# Altium PCB BatteryBoard.PcbDoc (part 2 of 2)
Units mil, origin at the board's own origin, x right, y up, seen from the top; angles counter-clockwise.
Board outline 9610 x 6351.06 mil, 2 copper layers (Top Layer, Bottom Layer); 145 components, 91 nets, 495 pads, 778 vias.
Unrouted connection lines stored in the file: 1.
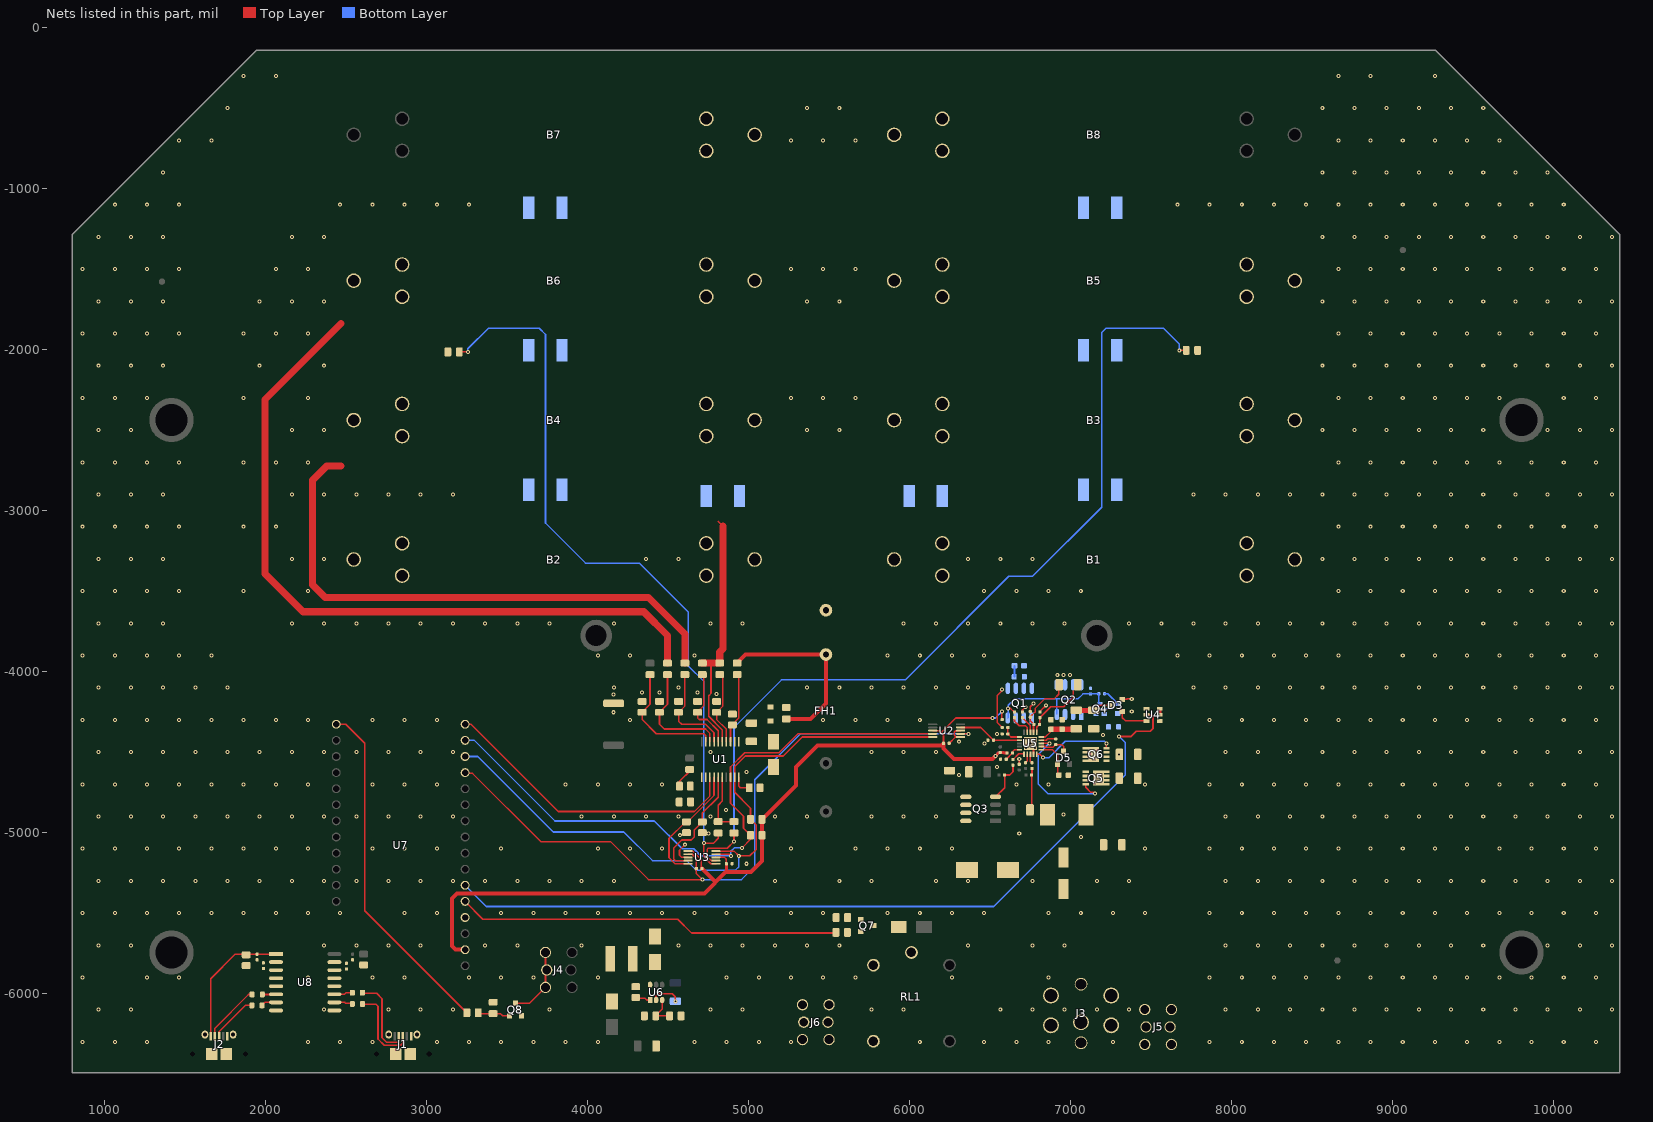
[diagram p2: the nets of this part, all layers, seen from the top]

## Via types
v1: diameter 25, hole 12, Top Layer to Bottom Layer, tented both sides, 714 vias
v2: diameter 25, hole 12, Top Layer to Bottom Layer, tented top, 59 vias
v3: diameter 12, hole 12, Top Layer to Bottom Layer, tented top, 5 vias

## Nets (pads, with @x,y where several pads share a name; then routed paths per layer and width w, separated by ;. In a path a pad name is that pad's centre, name@x,y a point inside that pad or via, vN(x,y) a via of type N, cw(c..) or ccw(c..) an arc to the next point about the centre after c; other vN are vias at no path point) (continued)
GND: C1.2 C2.2 C3.2 C4.2 C5.2 C6.2 C7.2 C8.2 C9.2 C10.2 C12.2 C13.2 C14.2 C17.2 C18.2 C19.2 C20.2 C21.2 C22.2 C23.2 C24.2 C27.2 C28.2 C29.2 C31.2 C32.2 C34.2 C35.2 C36.2 C38.2 C41.2 C42.2 C44.2 D2.1 D7.1 J1.5 J1.Shell J3.2 J3.3 J5.2 J5.4 J5.6 J6.2 J6.4 J6.6 Q6.3 Q7.1 Q8.1 R10.2 R11.2 R15.2 R16.2 R21.1 R28.2 R33.1 R37.2 R43.2 R45.2 U2.1 U2.3 U3.3 U4.6 U5.0 U5.14 U6.2 U7.25 U8.9 U8.15 | length 712.2
  Top Layer w10: U6.2@4427.17,-6043.31 4427.17,-6015.75 4438.98,-6003.94 4527.56,-6003.94 4547.24,-6023.62 v2(4547.24,-6051.09) ; v2(4606.3,-5078.74) 4573,-5112.04 4573,-5143.87 4586.61,-5157.48 U3.3@4625.98,-5157.48 ; C12.2@6247.81,-4448.82 6287.19,-4409.45 ; U2.1@6318.9,-4409.45 6287.19,-4409.45 ; U2.3@6318.9,-4370.08 6289.37,-4370.08 6279.53,-4379.92 6279.53,-4381.08 6279.35,-4381.25 6279.35,-4396.77 6287.19,-4404.6 6287.19,-4409.45 ; C34.2@6683.07,-4578.96 v2(6683.07,-4547.24) ; v3(6752.26,-4449.21) 6771.95,-4468.9 U5.14@6771.95,-4517.13 ; C23.2@6752.26,-4254.55 6752.26,-4222.15 v2(6771.65,-4202.76) ; C24.2@6811.32,-4251.67 v2(6850.39,-4212.6)
  other v1: 865.28,-6303.46 1065.28,-6303.46 1265.28,-6303.46 2265.28,-6303.46 2465.28,-6303.46 2665.28,-6303.46 3065.28,-6303.46 3265.28,-6303.46 3465.28,-6303.46 3665.28,-6303.46 3865.28,-6303.46 4065.28,-6303.46 4665.28,-6303.46 4865.28,-6303.46 5065.28,-6303.46 5265.28,-6303.46 6065.28,-6303.46 6465.28,-6303.46 6665.28,-6303.46 6865.28,-6303.46 7265.28,-6303.46 7865.28,-6303.46 8065.28,-6303.46 8265.28,-6303.46 8465.28,-6303.46 8665.28,-6303.46 8865.28,-6303.46 9065.28,-6303.46 9265.28,-6303.46 9465.28,-6303.46 9665.28,-6303.46 9865.28,-6303.46 10065.28,-6303.46 10265.28,-6303.46 965.28,-6103.46 1165.28,-6103.46 2365.28,-6103.46 2765.28,-6103.46 2965.28,-6103.46 3165.28,-6103.46 3565.28,-6103.46 3765.28,-6103.46 4765.28,-6103.46 4965.28,-6103.46 5765.28,-6103.46 5965.28,-6103.46 6565.28,-6103.46 6765.28,-6103.46 6965.28,-6103.46 7165.28,-6103.46 7365.28,-6103.46 7965.28,-6103.46 8165.28,-6103.46 8365.28,-6103.46 8565.28,-6103.46 8765.28,-6103.46 8965.28,-6103.46 9165.28,-6103.46 9365.28,-6103.46 9565.28,-6103.46 9765.28,-6103.46 9965.28,-6103.46 10165.28,-6103.46 10365.28,-6103.46 865.28,-5903.46 1265.28,-5903.46 1465.28,-5903.46 2265.28,-5903.46 2665.28,-5903.46 2865.28,-5903.46 3265.28,-5903.46 3465.28,-5903.46 3665.28,-5903.46 4065.28,-5903.46 4865.28,-5903.46 5065.28,-5903.46 5265.28,-5903.46 5465.28,-5903.46 5665.28,-5903.46 6265.28,-5903.46 6865.28,-5903.46 7865.28,-5903.46 8065.28,-5903.46 8265.28,-5903.46 8465.28,-5903.46 8665.28,-5903.46 8865.28,-5903.46 9065.28,-5903.46 9265.28,-5903.46 9465.28,-5903.46 9665.28,-5903.46 9865.28,-5903.46 10065.28,-5903.46 10265.28,-5903.46 965.28,-5703.46 1165.28,-5703.46 2365.28,-5703.46 2565.28,-5703.46 2765.28,-5703.46 2965.28,-5703.46 3365.28,-5703.46 3565.28,-5703.46 3965.28,-5703.46 4565.28,-5703.46 4765.28,-5703.46 4965.28,-5703.46 5165.28,-5703.46 5365.28,-5703.46 5565.28,-5703.46 6365.28,-5703.46 6765.28,-5703.46 6965.28,-5703.46 7965.28,-5703.46 8165.28,-5703.46 8365.28,-5703.46 8565.28,-5703.46 8765.28,-5703.46 8965.28,-5703.46 9165.28,-5703.46 9365.28,-5703.46 9565.28,-5703.46 9965.28,-5703.46 10165.28,-5703.46 10365.28,-5703.46 865.28,-5503.46 1065.28,-5503.46 1265.28,-5503.46 1465.28,-5503.46 1665.28,-5503.46 1865.28,-5503.46 2065.28,-5503.46 2265.28,-5503.46 2465.28,-5503.46 2865.28,-5503.46 3065.28,-5503.46 3465.28,-5503.46 3665.28,-5503.46 3865.28,-5503.46 4065.28,-5503.46 4265.28,-5503.46 4465.28,-5503.46 4665.28,-5503.46 4865.28,-5503.46 5265.28,-5503.46 5465.28,-5503.46 5865.28,-5503.46 6065.28,-5503.46 6265.28,-5503.46 6465.28,-5503.46 6865.28,-5503.46 7065.28,-5503.46 7265.28,-5503.46 7465.28,-5503.46 7865.28,-5503.46 8065.28,-5503.46 8265.28,-5503.46 8465.28,-5503.46 8665.28,-5503.46 8865.28,-5503.46 9065.28,-5503.46 9265.28,-5503.46 9465.28,-5503.46 9665.28,-5503.46 9865.28,-5503.46 10065.28,-5503.46 10265.28,-5503.46 965.28,-5303.46 1165.28,-5303.46 1365.28,-5303.46 1565.28,-5303.46 1765.28,-5303.46 1965.28,-5303.46 2165.28,-5303.46 2365.28,-5303.46 2565.28,-5303.46 2765.28,-5303.46 2965.28,-5303.46 3165.28,-5303.46 3365.28,-5303.46 3565.28,-5303.46 3765.28,-5303.46 3965.28,-5303.46 4165.28,-5303.46 5165.28,-5303.46 5565.28,-5303.46 5765.28,-5303.46 6165.28,-5303.46 6365.28,-5303.46 6765.28,-5303.46 7165.28,-5303.46 7365.28,-5303.46 7965.28,-5303.46 8165.28,-5303.46 8365.28,-5303.46 8565.28,-5303.46 8765.28,-5303.46 8965.28,-5303.46 9165.28,-5303.46 9365.28,-5303.46 9565.28,-5303.46 9765.28,-5303.46 9965.28,-5303.46 10165.28,-5303.46 10365.28,-5303.46 865.28,-5103.46 1065.28,-5103.46 1265.28,-5103.46 1465.28,-5103.46 1665.28,-5103.46 1865.28,-5103.46 2065.28,-5103.46 2265.28,-5103.46 2665.28,-5103.46 2865.28,-5103.46 3065.28,-5103.46 3465.28,-5103.46 4065.28,-5103.46 4265.28,-5103.46 4465.28,-5103.46 5265.28,-5103.46 5665.28,-5103.46 5865.28,-5103.46 6065.28,-5103.46 6265.28,-5103.46 7465.28,-5103.46 7865.28,-5103.46 8065.28,-5103.46 8265.28,-5103.46 8465.28,-5103.46 8665.28,-5103.46 8865.28,-5103.46 9065.28,-5103.46 9265.28,-5103.46 9465.28,-5103.46 9665.28,-5103.46 9865.28,-5103.46 10065.28,-5103.46 10265.28,-5103.46 965.28,-4903.46 1165.28,-4903.46 1365.28,-4903.46 1565.28,-4903.46 1765.28,-4903.46 1965.28,-4903.46 2165.28,-4903.46 2365.28,-4903.46 2565.28,-4903.46 2765.28,-4903.46 2965.28,-4903.46 3165.28,-4903.46 3965.28,-4903.46 4165.28,-4903.46 4365.28,-4903.46 4565.28,-4903.46 4765.28,-4903.46 5165.28,-4903.46 5365.28,-4903.46 5765.28,-4903.46 5965.28,-4903.46 6165.28,-4903.46 7965.28,-4903.46 8165.28,-4903.46 8365.28,-4903.46 8565.28,-4903.46 8765.28,-4903.46 8965.28,-4903.46 9165.28,-4903.46 9365.28,-4903.46 9565.28,-4903.46 9765.28,-4903.46 9965.28,-4903.46 10165.28,-4903.46 10365.28,-4903.46 865.28,-4703.46 1065.28,-4703.46 1265.28,-4703.46 1465.28,-4703.46 1665.28,-4703.46 1865.28,-4703.46 2065.28,-4703.46 2265.28,-4703.46 2665.28,-4703.46 2865.28,-4703.46 3065.28,-4703.46 3865.28,-4703.46 4065.28,-4703.46 4265.28,-4703.46 4465.28,-4703.46 6665.28,-4703.46 6865.28,-4703.46 7465.28,-4703.46 7865.28,-4703.46 8065.28,-4703.46 8265.28,-4703.46 8465.28,-4703.46 8665.28,-4703.46 8865.28,-4703.46 9065.28,-4703.46 9265.28,-4703.46 9465.28,-4703.46 9665.28,-4703.46 9865.28,-4703.46 10065.28,-4703.46 10265.28,-4703.46 965.28,-4503.46 1165.28,-4503.46 1365.28,-4503.46 1565.28,-4503.46 1765.28,-4503.46 1965.28,-4503.46 2165.28,-4503.46 2365.28,-4503.46 2565.28,-4503.46 2765.28,-4503.46 2965.28,-4503.46 3165.28,-4503.46 4765.28,-4503.46 5765.28,-4503.46 5965.28,-4503.46 6165.28,-4503.46 7965.28,-4503.46 8165.28,-4503.46 8365.28,-4503.46 8565.28,-4503.46 8765.28,-4503.46 8965.28,-4503.46 9165.28,-4503.46 9365.28,-4503.46 9565.28,-4503.46 9765.28,-4503.46 9965.28,-4503.46 10165.28,-4503.46 10365.28,-4503.46 865.28,-4303.46 1065.28,-4303.46 1265.28,-4303.46 1465.28,-4303.46 1665.28,-4303.46 1865.28,-4303.46 2065.28,-4303.46 2265.28,-4303.46 2665.28,-4303.46 2865.28,-4303.46 3065.28,-4303.46 4265.28,-4303.46 5465.28,-4303.46 5665.28,-4303.46 5865.28,-4303.46 6065.28,-4303.46 7865.28,-4303.46 8065.28,-4303.46 8265.28,-4303.46 8465.28,-4303.46 8665.28,-4303.46 8865.28,-4303.46 9065.28,-4303.46 9265.28,-4303.46 9465.28,-4303.46 9665.28,-4303.46 9865.28,-4303.46 10065.28,-4303.46 10265.28,-4303.46 965.28,-4103.46 1165.28,-4103.46 1365.28,-4103.46 1565.28,-4103.46 1765.28,-4103.46 4165.28,-4103.46 4565.28,-4103.46 5365.28,-4103.46 5565.28,-4103.46 5765.28,-4103.46 5965.28,-4103.46 6165.28,-4103.46 6365.28,-4103.46 7765.28,-4103.46 7965.28,-4103.46 8165.28,-4103.46 8365.28,-4103.46 8565.28,-4103.46 8765.28,-4103.46 8965.28,-4103.46 9165.28,-4103.46 9365.28,-4103.46 9565.28,-4103.46 9765.28,-4103.46 9965.28,-4103.46 10165.28,-4103.46 10365.28,-4103.46 865.28,-3903.46 1065.28,-3903.46 1265.28,-3903.46 1465.28,-3903.46 1665.28,-3903.46 4065.28,-3903.46 4265.28,-3903.46 4665.28,-3903.46 5865.28,-3903.46 6065.28,-3903.46 6265.28,-3903.46 6465.28,-3903.46 6665.28,-3903.46 7665.28,-3903.46 7865.28,-3903.46 8065.28,-3903.46 8265.28,-3903.46 8465.28,-3903.46 8665.28,-3903.46 8865.28,-3903.46 9065.28,-3903.46 9265.28,-3903.46 9465.28,-3903.46 9665.28,-3903.46 9865.28,-3903.46 10065.28,-3903.46 10265.28,-3903.46 965.28,-3703.46 1165.28,-3703.46 1365.28,-3703.46 2165.28,-3703.46 2365.28,-3703.46 2565.28,-3703.46 2765.28,-3703.46 2965.28,-3703.46 3165.28,-3703.46 3365.28,-3703.46 3565.28,-3703.46 3765.28,-3703.46 4165.28,-3703.46 4765.28,-3703.46 4965.28,-3703.46 5965.28,-3703.46 6165.28,-3703.46 6365.28,-3703.46 6565.28,-3703.46 6765.28,-3703.46 6965.28,-3703.46 7365.28,-3703.46 7565.28,-3703.46 7765.28,-3703.46 7965.28,-3703.46 8165.28,-3703.46 8365.28,-3703.46 8565.28,-3703.46 8765.28,-3703.46 8965.28,-3703.46 9165.28,-3703.46 9365.28,-3703.46 9565.28,-3703.46 9765.28,-3703.46 9965.28,-3703.46 10165.28,-3703.46 10365.28,-3703.46 865.28,-3503.46 1065.28,-3503.46 1265.28,-3503.46 1465.28,-3503.46 1865.28,-3503.46 2265.28,-3503.46 6465.28,-3503.46 6665.28,-3503.46 6865.28,-3503.46 7065.28,-3503.46 8665.28,-3503.46 8865.28,-3503.46 9065.28,-3503.46 9265.28,-3503.46 9465.28,-3503.46 9665.28,-3503.46 9865.28,-3503.46 10065.28,-3503.46 10265.28,-3503.46 965.28,-3303.46 1165.28,-3303.46 1365.28,-3303.46 2165.28,-3303.46 2365.28,-3303.46 4365.28,-3303.46 4565.28,-3303.46 6365.28,-3303.46 6565.28,-3303.46 6765.28,-3303.46 8565.28,-3303.46 8765.28,-3303.46 8965.28,-3303.46 9165.28,-3303.46 9365.28,-3303.46 9565.28,-3303.46 9765.28,-3303.46 9965.28,-3303.46 10165.28,-3303.46 10365.28,-3303.46 865.28,-3103.46 1065.28,-3103.46 1265.28,-3103.46 1465.28,-3103.46 1865.28,-3103.46 2065.28,-3103.46 8665.28,-3103.46 8865.28,-3103.46 9065.28,-3103.46 9265.28,-3103.46 9465.28,-3103.46 9665.28,-3103.46 9865.28,-3103.46 10065.28,-3103.46 10265.28,-3103.46 965.28,-2903.46 1165.28,-2903.46 1365.28,-2903.46 2165.28,-2903.46 2365.28,-2903.46 2565.28,-2903.46 2765.28,-2903.46 2965.28,-2903.46 3165.28,-2903.46 7765.28,-2903.46 7965.28,-2903.46 8165.28,-2903.46 8365.28,-2903.46 8565.28,-2903.46 8765.28,-2903.46 8965.28,-2903.46 9165.28,-2903.46 9365.28,-2903.46 9565.28,-2903.46 9765.28,-2903.46 9965.28,-2903.46 10165.28,-2903.46 10365.28,-2903.46 865.28,-2703.46 1065.28,-2703.46 1265.28,-2703.46 1465.28,-2703.46 1865.28,-2703.46 2065.28,-2703.46 2265.28,-2703.46 8665.28,-2703.46 8865.28,-2703.46 9065.28,-2703.46 9265.28,-2703.46 9465.28,-2703.46 9665.28,-2703.46 9865.28,-2703.46 10065.28,-2703.46 10265.28,-2703.46 965.28,-2503.46 1165.28,-2503.46 2165.28,-2503.46 2365.28,-2503.46 5365.28,-2503.46 5565.28,-2503.46 8565.28,-2503.46 8765.28,-2503.46 8965.28,-2503.46 9165.28,-2503.46 9365.28,-2503.46 9565.28,-2503.46 9965.28,-2503.46 10165.28,-2503.46 10365.28,-2503.46 865.28,-2303.46 1065.28,-2303.46 1265.28,-2303.46 1865.28,-2303.46 2265.28,-2303.46 5265.28,-2303.46 5465.28,-2303.46 5665.28,-2303.46 8665.28,-2303.46 8865.28,-2303.46 9065.28,-2303.46 9265.28,-2303.46 9465.28,-2303.46 9665.28,-2303.46 10065.28,-2303.46 10265.28,-2303.46 965.28,-2103.46 1165.28,-2103.46 1365.28,-2103.46 1965.28,-2103.46 2365.28,-2103.46 8565.28,-2103.46 8765.28,-2103.46 8965.28,-2103.46 9165.28,-2103.46 9365.28,-2103.46 9565.28,-2103.46 9765.28,-2103.46 9965.28,-2103.46 10165.28,-2103.46 10365.28,-2103.46 865.28,-1903.46 1065.28,-1903.46 1265.28,-1903.46 1465.28,-1903.46 1865.28,-1903.46 2065.28,-1903.46 2265.28,-1903.46 8665.28,-1903.46 8865.28,-1903.46 9065.28,-1903.46 9265.28,-1903.46 9465.28,-1903.46 9665.28,-1903.46 9865.28,-1903.46 10065.28,-1903.46 10265.28,-1903.46 965.28,-1703.46 1165.28,-1703.46 1365.28,-1703.46 1965.28,-1703.46 2165.28,-1703.46 2365.28,-1703.46 5365.28,-1703.46 5565.28,-1703.46 8565.28,-1703.46 8765.28,-1703.46 8965.28,-1703.46 9165.28,-1703.46 9365.28,-1703.46 9565.28,-1703.46 9765.28,-1703.46 9965.28,-1703.46 10165.28,-1703.46 10365.28,-1703.46 865.28,-1503.46 1065.28,-1503.46 1265.28,-1503.46 1465.28,-1503.46 2065.28,-1503.46 2265.28,-1503.46 5265.28,-1503.46 5465.28,-1503.46 5665.28,-1503.46 8665.28,-1503.46 8865.28,-1503.46 9065.28,-1503.46 9265.28,-1503.46 9465.28,-1503.46 9665.28,-1503.46 9865.28,-1503.46 10065.28,-1503.46 10265.28,-1503.46 965.28,-1303.46 1165.28,-1303.46 1365.28,-1303.46 2165.28,-1303.46 2365.28,-1303.46 8565.28,-1303.46 8765.28,-1303.46 8965.28,-1303.46 9165.28,-1303.46 9365.28,-1303.46 9565.28,-1303.46 9765.28,-1303.46 9965.28,-1303.46 10165.28,-1303.46 10365.28,-1303.46 1065.28,-1103.46 1265.28,-1103.46 1465.28,-1103.46 2465.28,-1103.46 2665.28,-1103.46 2865.28,-1103.46 3065.28,-1103.46 3265.28,-1103.46 7665.28,-1103.46 7865.28,-1103.46 8065.28,-1103.46 8265.28,-1103.46 8465.28,-1103.46 8665.28,-1103.46 8865.28,-1103.46 9065.28,-1103.46 9265.28,-1103.46 9465.28,-1103.46 9665.28,-1103.46 9865.28,-1103.46 10065.28,-1103.46 1365.28,-903.46 8565.28,-903.46 8765.28,-903.46 8965.28,-903.46 9165.28,-903.46 9365.28,-903.46 9565.28,-903.46 9765.28,-903.46 9965.28,-903.46 1465.28,-703.46 1665.28,-703.46 5265.28,-703.46 5465.28,-703.46 5665.28,-703.46 8665.28,-703.46 8865.28,-703.46 9065.28,-703.46 9265.28,-703.46 9465.28,-703.46 9665.28,-703.46 1765.28,-503.46 5365.28,-503.46 5565.28,-503.46 8565.28,-503.46 8765.28,-503.46 8965.28,-503.46 9165.28,-503.46 9365.28,-503.46 9565.28,-503.46 1865.28,-303.46 2065.28,-303.46 8665.28,-303.46 8865.28,-303.46 9265.28,-303.46
  other v2: 4990.16,-5196.85 7066.93,-5029.53 4576.77,-5019.68 4753.94,-5009.84 6683.07,-5009.84 6958.66,-4891.73 4862,-4864 6309.06,-4645.67 4990.16,-4625.98 6545.28,-4596.46 7303.15,-4517.72 6466.54,-4448.82 6309.06,-4438.98 7202,-4398 6545.28,-4389.76 4163.39,-4255.87 7381.89,-4251.97 4163.39,-4145.7 4803.15,-4143.7 4340.55,-4133.86 4448.82,-4133.86 4685.04,-4133.86
  other v3: 6723.72,-4477.76 6780.81,-4477.76 6723.72,-4420.67 6780.81,-4420.67
IOUT: C35.1 U2.4 U5.7 | length 398.2
  Top Layer w10: U2.4@6318.9,-4350.39 6444.57,-4350.39 C35.1@6523.7,-4429.53 U5.7@6684.35,-4429.53
NetB1_1: B1.1 PTC1.2
NetB1_2: B1.2 B2.2 PTC3.1 PTC4.1 R5.1 R6.1 U1.5 | length 1537.9
  Top Layer w10: 4768.7,-3950.72 4768.7,-4138.78 4753.94,-4153.54 4753.94,-4281.5 4838.58,-4366.14 U1.5@4838.58,-4438.98 ; 4812.99,-3070.87 4842.52,-3100.39
  Top Layer w45: R6.1@4714.57,-3950.72 4768.7,-3950.72 R5.1@4822.83,-3950.72 4822.83,-3881.17 4842.52,-3861.48 4842.52,-3100.39
NetB2_1: B2.1 PTC2.2
NetB3_1: B3.1 PTC3.2
NetB3_2: B3.2 B4.2 PTC5.1 PTC6.1 R7.1 | length 3483.9
  Top Layer w45: 2470.47,-2726.38 2381.89,-2726.38 2293.31,-2814.96 2293.31,-3464.57 2372.05,-3543.31 4379.92,-3543.31 4606.3,-3769.68 R7.1@4606.3,-3950.72
NetB4_1: B4.1 PTC4.2
NetB5_1: B5.1 PTC5.2
NetB5_2: B5.2 B6.2 PTC7.1 PTC8.1 R12.1 | length 4581
  Top Layer w45: 2470.47,-1840.55 1998.03,-2312.99 1998.03,-3395.67 2234.25,-3631.89 4350.39,-3631.89 4498.03,-3779.53 R12.1@4498.03,-3950.72
NetB6_1: B6.1 PTC6.2
NetB7_1: B7.1 PTC7.2
NetB8_1: B8.1 PTC8.2
NetC1_1: C1.1 D1.2 D2.2 U1.1 U1.2
NetC2_1: C2.1 R2.2 U1.3 | length 442.5
  Top Layer w10: U1.3@4889.76,-4438.98 4889.76,-4346.49 C2.1@4901.57,-4334.68 4901.57,-4331.57 4940.94,-4292.2 4940.94,-4031.56 R2.2@4931.1,-4021.72
NetC3_1: C3.1 U1.20 | length 124.1
  Top Layer w10: U1.20@4940.94,-4659.45 4940.94,-4714.57 4950.79,-4724.41 C3.1@5005.87,-4724.41
NetC4_1: C4.1 R5.2 U1.4 | length 467
  Top Layer w10: R5.2@4822.83,-4021.72 4842.52,-4041.41 4842.52,-4216.57 C4.1@4803.15,-4255.94 4803.15,-4301.18 4864.17,-4362.2 U1.4@4864.17,-4438.98
NetC5_1: C5.1 R6.2 U1.6 | length 519.5
  Top Layer w10: R6.2@4714.57,-4021.72 4724.41,-4031.56 4724.41,-4213.46 4685.04,-4252.83 C5.1@4685.04,-4255.94 4685.04,-4291.34 4694.88,-4301.18 4744.09,-4301.18 4812.99,-4370.08 U1.6@4812.99,-4438.98
NetC6_1: C6.1 U1.14 U3.5 | length 757.4
  Top Layer w10: U3.5@4625.98,-5196.85 4544.3,-5196.85 4507.87,-5160.42 4507.87,-5039.37 4610.27,-4936.97 C6.1@4616.14,-4936.97 4623.06,-4936.97 4787.4,-4772.63 U1.14@4787.4,-4659.45
NetC7_1: C7.1 U1.15 U3.4 | length 749.3
  Top Layer w10: U3.4@4625.98,-5177.17 4547.24,-5177.17 4537.4,-5167.32 4537.4,-5098.43 4586.61,-5049.21 4645.67,-5049.21 4665.35,-5029.53 4665.35,-4986.18 C7.1@4714.57,-4936.97 4714.57,-4881.89 4812.99,-4783.46 U1.15@4812.99,-4659.45
NetC8_1: C8.1 R7.2 U1.7 | length 611.4
  Top Layer w10: R7.2@4606.3,-4021.72 4606.3,-4216.57 C8.1@4566.93,-4255.94 4566.93,-4311.02 4586.61,-4330.71 4734.25,-4330.71 4787.4,-4383.86 U1.7@4787.4,-4438.98
NetC9_1: C9.1 R12.2 U1.8 | length 717.2
  Top Layer w10: R12.2@4498.03,-4021.72 4498.03,-4206.73 C9.1@4448.82,-4255.94 4448.82,-4330.71 4478.35,-4360.24 4734.25,-4360.24 4761.81,-4387.79 U1.8@4761.81,-4438.98
NetC10_1: C10.1 R13.2 U1.9 | length 774.5
  Top Layer w10: R13.2@4389.76,-4021.72 4389.76,-4206.73 C10.1@4340.55,-4255.94 4340.55,-4301.18 4429.13,-4389.76 4724.41,-4389.76 4736.22,-4401.57 U1.9@4736.22,-4438.98
NetC11_1: C11.1 R14.1 U1.11 | length 127
  Top Layer w10: C11.1@4572.8,-4714.57 4572.8,-4685.14 R14.1@4641.8,-4616.14
NetC11_2: C11.2 R15.1 U1.12
NetC14_1: C14.1 D3.3 R18.1 | length 219.9
  Top Layer w10: C14.1@7153.82,-4244.18 7185.01,-4212.99 D3.3@7244.39,-4212.99
  Top Layer w30: R18.1@7037.4,-4244.18 C14.1@7153.82,-4244.18
NetC15_2: C15.2 C16.2 Q1.2 Q2.2 Q4.3 R25.1 | length 884.3
  Top Layer w10: v2(6614.17,-4232.28) 6629.13,-4232.28 6651.4,-4254.55 R25.1@6653.84,-4254.55
  Bottom Layer w10: Q1.2@6611.81,-4291.34 6614.17,-4288.98 v2(6614.17,-4232.28) 6614.17,-4212.6 6653.54,-4173.23 7047.24,-4173.23 7078.56,-4141.91 C15.2@7126.28,-4141.91 7176.59,-4141.91 C16.2@7177.5,-4141 7177.5,-4195.31 Q4.3@7185.33,-4203.15 Q4.3@7187.7,-4200.78 ; Q2.2@6917.22,-4269.29 6917.22,-4175.3
NetC16_1: C16.1 Q1.3 Q2.3 Q4.2 R23.2 R26.1 | length 332.2
  Top Layer w10: R26.1@6703.05,-4254.55 6703.05,-4241.83 v2(6722.44,-4222.44)
  Bottom Layer w10: Q2.3@7067.22,-4269.29 Q2.3@7067.22,-4254.55 ; Q4.2@7159.74,-4266.14 7172,-4253.89 7172,-4235 7259.09,-4235 7293.31,-4200.78 7233.52,-4141 C16.1@7212.5,-4141
NetC17_1: C17.1 C18.1 C19.1 C24.1 C26.2 C28.1 C29.1 Q3.1 Q5.1 R19.2 RL1.2 U4.3 U5.1 | length 397.9
  Top Layer w10: U5.1@6791.63,-4381.3 6791.63,-4348.6 C26.2@6809.13,-4331.1 6811.32,-4328.92 C24.1@6811.32,-4289.55 6878.43,-4222.44 6958.66,-4222.44 7017.72,-4163.39 7017.72,-4124.02
NetC20_1: C20.1 C21.1 R18.2 U5.20 | length 245.9
  Top Layer w10: U5.20@6820.18,-4409.84 6845.16,-4409.84 6880.22,-4374.78 C20.1@6880.22,-4360.6
  Top Layer w35: C20.1@6880.22,-4360.6 C21.1@6949.11,-4360.6 R18.2@7037.4,-4360.6
NetC22_1: C22.1 R20.2 | length 70
  Bottom Layer w10: R20.2@6651.87,-4035.83 6653.57,-4034.12 C22.1@6653.57,-3966.54
NetC23_1: C23.1 C26.1 Q2.1 R19.1 U5.2 | length 415.3
  Top Layer w10: U5.2@6771.95,-4381.3 6771.95,-4333.29 C26.1@6774.13,-4331.1 6752.26,-4309.23 6752.26,-4283.67 6781.5,-4254.44 6781.5,-4232.28 6840.55,-4173.23 6899.61,-4173.23 6929.13,-4143.7 6929.13,-4086.7 R19.1@6931.19,-4084.65
  other v2: 6919.29,-4025.59 6958.66,-4025.59 6998.03,-4025.59
NetC25_1: C25.1 Q3.2 R22.2 | length 259.8
  Top Layer w10: Q3.2@6535.43,-4781.1 6592.3,-4724.23 C25.1@6592.3,-4645.67 6624.02,-4645.67 6644,-4625.69 R22.2@6644,-4584.82
NetC27_1: C27.1 D5.1 U5.16 | length 243.7
  Top Layer w10: U5.16@6820.18,-4488.58 6890.16,-4488.58 6921.56,-4519.98 D5.1@6921.56,-4577.17 6921.56,-4638.16 C27.1@6929.46,-4646.06
NetC30_1: C30.1 D5.3 U5.17 | length 181.2
  Top Layer w10: U5.17@6820.18,-4468.9 6843.9,-4468.9 6847.32,-4472.32 6894.3,-4472.32 C30.1@6909.74,-4456.87 6947.03,-4456.87 6958.96,-4468.8 D5.3@6958.96,-4498.43
NetC30_2: C30.2 L1.1 Q5.3 Q6.1 U5.19 | length 94.9
  Top Layer w10: U5.19@6820.18,-4429.53 6850,-4429.53 6860.24,-4419.29 6907.17,-4419.29 C30.2@6909.74,-4421.87
NetC33_1: C33.1 L1.2 R27.1 R34.2 | length 262.7
  Top Layer w10: R27.1@6749.91,-4862.2 6759.92,-4852.2 C33.1@6759.92,-4646.06 6762.11,-4643.88 R34.2@6762.11,-4604.51
NetC37_1: C37.1 U6.1 | length 95.1
  Top Layer w10: C37.1@4301.18,-6027.59 4307.05,-6033.46 4360.24,-6033.46 4370.08,-6043.31 U6.1@4389.76,-6043.31
NetC37_2: C37.2 D7.2 L2.1 U6.6
NetC43_1: C43.1 U8.3 U8.4 U8.5
NetC44_1: C44.1 U8.12 U8.13 U8.14
NetD1_1: D1.1 R1.2
NetD3_2: D3.2 U4.4 | length 198.2
  Top Layer w10: D3.2@7323.13,-4250.39 7323.13,-4290.07 7342.46,-4309.4 U4.4@7473.66,-4309.4
NetD4_1: D4.1 Q7.3 RL1.3
NetD6_1: D6.1 L2.2 R36.1
NetFH1_1: FH1.1 PTC1.1 PTC2.1 R1.1 R2.1 | length 1163.5
  Top Layer w25: R2.1@4931.1,-3950.72 4984.18,-3897.64 FH1.1@5482.28,-3897.64 5482.28,-4202.76 5387.73,-4297.31 R1.1@5236.22,-4297.31
NetJ1_2: J1.2 R39.2 | length 532
  Top Layer w10: R39.2@2603.5,-5998 2607.5,-6002 2692,-6002 2725,-6035 2725,-6278 2753,-6306 2826,-6306 2828.74,-6303.26 J1.2@2828.74,-6267.52
NetJ1_3: J1.3 R41.2 | length 525
  Top Layer w10: R41.2@2603.5,-6068 2604.5,-6069 2687,-6069 2700,-6082 2700,-6286 2738,-6324 2841,-6324 2854.33,-6310.67 J1.3@2854.33,-6267.52
NetJ2_2: J2.2 R38.1 | length 387.3
  Top Layer w10: J2.2@1687.01,-6287.2 1687.01,-6217.99 1896,-6009 R38.1@1918.5,-6009
NetJ2_3: J2.3 R40.1 | length 318.5
  Top Layer w10: J2.3@1712.6,-6287.2 1712.6,-6240.16 1875.76,-6077 R40.1@1916.5,-6077
NetJ4_2: J4.2 J4.4 J4.6 Q8.3 | length 444.3
  Top Layer w10: Q8.3@3553.15,-6062.99 3641.73,-6062.99 J4.2@3740.16,-5964.57 J4.4@3740.16,-5748.03
NetQ4_1: Q4.1 R21.2 R23.1
NetQ5_2: Q5.2 U5.18 | length 789.2
  Top Layer w10: U5.18@6820.18,-4449.21 6869.68,-4449.21 v2(6870.08,-4448.82) ; Q5.2@7096.46,-4703.94 7096.46,-4722.3 7128.1,-4753.94 v2@7145.67,-4753.94
  Bottom Layer w10: v2(6870.08,-4448.82) 6801.18,-4517.72 6801.18,-4701.18 6861.87,-4761.87 v2(7153.6,-4761.87)
NetQ6_2: Q6.2 U5.15 | length 518.4
  Top Layer w10: U5.15@6791.63,-4517.13 6810.43,-4517.13 v2(6830.71,-4537.4) ; Q6.2@7224.41,-4479.13 v2(7224.41,-4448.82)
  Bottom Layer w10: v2(6830.71,-4537.4) 6868.6,-4537.4 6969.5,-4436.5 7212.09,-4436.5 v2(7224.41,-4448.82)
NetQ7_2: Q7.2 R42.1 R43.1
NetQ8_2: Q8.2 R44.1 R45.1 | length 192.6
  Top Layer w10: R44.1@3328.87,-6128.02 R45.1@3415.35,-6128.02 3460.7,-6128.02 3474.41,-6141.73 Q8.2@3515.75,-6141.73
NetR8_1: R8.1 R9.1 U1.16 | length 384.5
  Top Layer w10: U1.16@4838.58,-4659.45 4838.58,-4807.09 4812.99,-4832.68 R8.1@4812.99,-4934.97 R9.1@4911.42,-4934.97
NetR8_2: R8.2 R10.1 U3.6 | length 4699.7
  Top Layer w10: R10.1@3204.79,-2017.72 v2(3257.87,-2017.72) ; U3.6@4799.21,-5196.85 4766.72,-5196.85 4724.41,-5154.54 v2(4724.41,-5068.9) 4783.46,-5068.9 4812.99,-5039.37 R8.2@4812.99,-5005.97
  Bottom Layer w10: v2(3257.87,-2017.72) 3257.87,-1998.03 3385.83,-1870.08 3700.79,-1870.08 3740.16,-1909.45 3740.16,-3080.71 3988.68,-3329.23 4323.33,-3329.23 4625.98,-3631.89 4625.98,-3966.54 4724.41,-4064.96 v2(4724.41,-5068.9)
NetR9_2: R9.2 R11.1 U3.7 | length 5610.7
  Top Layer w10: U3.7@4799.21,-5177.17 4769.66,-5177.17 4744.09,-5151.6 4744.09,-5108.27 4751.16,-5101.2 4869.27,-5101.2 v2(4911.42,-5059.06) R9.2@4911.42,-5005.97 ; v2(7677.17,-2007.87) R11.1@7720.41,-2007.87
  Bottom Layer w10: v2(4911.42,-5059.06) 4911.42,-4350.39 5206.69,-4055.12 5974.41,-4055.12 6617.53,-3412 6765.17,-3412 7194.88,-2982.28 7194.88,-1897.12 7221.92,-1870.08 7578.74,-1870.08 7677.17,-1968.5 v2(7677.17,-2007.87)
NetR17_2: R17.2 U2.2 U3.2 U7.16 | length 4352.7
  Top Layer w10: U7.16@3248.03,-4635.83 3287.4,-4635.83 3710.63,-5059.06 4143.7,-5059.06 4379.92,-5295.28 v2(4714.57,-5295.28) 4677.38,-5258.09 R17.2@4677.38,-5226.38 ; U3.2@4625.98,-5137.8 4652.84,-5137.8 4677.38,-5162.33 R17.2@4677.38,-5236.22 ; U2.2@6318.9,-4389.76 v2(6368.11,-4389.76)
  Bottom Layer w10: v2(4714.57,-5295.28) 4957.72,-5295.28 5039.37,-5213.63 5039.37,-4675.2 5324.8,-4389.76 v2(6368.11,-4389.76)
NetR22_1: R22.1 U5.11 | length 87.7
  Top Layer w10: R22.1@6644,-4549.82 6680.39,-4513.43 6712.89,-4513.43 U5.11@6712.89,-4517.13
NetR24_2: R24.2 R28.1 U5.6 | length 119.6
  Top Layer w10: R24.2@6612.28,-4350.79 R28.1@6612.28,-4390.16 6631.97,-4409.84 U5.6@6684.35,-4409.84
NetR25_2: R25.2 U5.4 | length 147.7
  Top Layer w10: R25.2@6653.84,-4289.55 6653.54,-4289.84 6653.54,-4311.02 6683.07,-4340.55 6722.44,-4340.55 6732.58,-4350.69 U5.4@6732.58,-4381.3
NetR26_2: R26.2 U5.3 | length 112.1
  Top Layer w10: R26.2@6703.05,-4289.55 6752.26,-4338.76 U5.3@6752.26,-4381.3
NetR29_2: R29.2 R33.2 U5.10 | length 111.3
  Top Layer w10: R33.2@6602.44,-4547.64 R29.2@6641.81,-4508.27 6641.81,-4499.92 6653.15,-4488.58 U5.10@6684.35,-4488.58
NetR34_1: R34.1 U5.13 | length 56.5
  Top Layer w10: U5.13@6752.26,-4517.13 6752.26,-4559.67 R34.1@6762.11,-4569.51
NetR35_1: R35.1 U5.12 | length 56.7
  Top Layer w10: R35.1@6722.74,-4569.51 6722.44,-4569.21 6732.58,-4559.07 U5.12@6732.58,-4517.13
NetR36_2: R36.2 R37.1 U6.3 | length 206
  Top Layer w10: U6.3@4464.57,-6043.31 4464.57,-6100.43 4423.26,-6141.73 R37.1@4513.74,-6141.73
NetR38_2: R38.2 U8.6 | length 85.9
  Top Layer w10: R38.2@1981.5,-6009 2065.8,-6009 U8.6@2066.93,-6007.87
NetR39_1: R39.1 U8.11 | length 115.5
  Top Layer w10: U8.11@2429.13,-6007.87 2492.13,-6007.87 2501,-5999 2539.5,-5999 R39.1@2540.5,-5998
NetR40_2: R40.2 U8.7 | length 95.4
  Top Layer w10: R40.2@1979.5,-6077 1998.63,-6057.87 U8.7@2066.93,-6057.87
NetR41_1: R41.1 U8.10 | length 115.6
  Top Layer w10: U8.10@2429.13,-6057.87 2492.87,-6057.87 2498,-6063 2535.5,-6063 R41.1@2540.5,-6068
NetR42_2: R42.2 U7.24 | length 2385.6
  Top Layer w10: U7.24@3240.94,-5430.71 3351.57,-5541.34 4562.34,-5541.34 4648,-5627 R42.2@5545.21,-5627
NetR44_2: R44.2 U7.1 | length 2161.3
  Top Layer w10: U7.1@2440.94,-4330.71 2500,-4330.71 2618.11,-4448.82 2618.11,-5489.53 R44.2@3250.62,-6122.05
NetU1_13: U1.13 U7.13 | length 1901.2
  Top Layer w10: U7.13@3240.94,-4330.71 3277.56,-4330.71 3818.9,-4872.05 4665.35,-4872.05 4761.81,-4775.59 U1.13@4761.81,-4659.45
NetU4_1: U4.1 U4.2 | length 37.4
  Top Layer w22: U4.2@7556.34,-4272 U4.1@7556.34,-4234.6
NetU4_5: U4.5 U7.23 | length 5097.4
  Top Layer w12: v2(7304,-4406) 7378,-4406 7410,-4374 7496,-4374 7513,-4357 7513,-4281 7504,-4272 U4.5@7473.66,-4272
  Bottom Layer w10: U7.23@3240.94,-5330.71 3372.83,-5462.6 6524.4,-5462.6 7342,-4645 7342,-4444 v2(7304,-4406)
POWERIN: C15.1 D3.1 J3.1 J5.1 J5.3 J5.5 Q1.1 R20.1 R24.1 | length 321.8
  Top Layer w10: v2(6574.8,-4114.17) 6574.8,-4124.02 6545.28,-4153.54 6545.28,-4318.78 R24.1@6577.28,-4350.79 ; D3.1@7323.13,-4175.59 7350,-4175.59 7352.36,-4173.23 v2(7381.89,-4173.23)
SCL: R3.2 U1.19 U2.10 U3.10 U7.15 | length 4225.2
  Top Layer w10: U3.10@4799.21,-5118.11 4911.42,-5118.11 v2(4940.94,-5147.64) 5009.84,-5147.64 5049.21,-5108.27 5049.21,-4956.76 R3.2@5013.71,-4921.26 5013.71,-4851.71 4915.35,-4753.35 U1.19@4915.35,-4659.45 4915.35,-4592.52 4980.31,-4527.56 5216.54,-4527.56 5334.65,-4409.45 U2.10@6145.67,-4409.45
  Bottom Layer w10: U7.15@3240.94,-4530.71 3320.08,-4530.71 3789.37,-5000 4227.36,-5000 4404.53,-5177.17 4616.14,-5177.17 4675.2,-5236.22 4921.26,-5236.22 4940.94,-5216.54 v2(4940.94,-5147.64)
SDA: R4.2 U1.18 U2.9 U3.9 U7.14 | length 4067.6
  Top Layer w10: U3.9@4799.21,-5137.8 4881.89,-5137.8 v2(4891.73,-5147.64) ; v2(4960.63,-5098.43) 5013.71,-5045.34 R4.2@5013.71,-5019.68 4970.47,-4976.44 4970.47,-4901.57 4889.76,-4820.87 U1.18@4889.76,-4659.45 4889.76,-4595.48 4977.37,-4507.87 5190.75,-4507.87 5308.86,-4389.76 U2.9@6145.67,-4389.76
  Bottom Layer w10: U7.14@3240.94,-4430.71 3298.82,-4430.71 3799.21,-4931.1 4416.38,-4931.1 4589.53,-5104.25 4661.34,-5104.25 4704.72,-5147.64 v2(4891.73,-5147.64) 4891.73,-5119.27 4912.57,-5098.43 v2(4960.63,-5098.43)
SGND: C39.2 C40.2 C43.2 J2.5 J2.Shell U8.2 U8.8
V3.3: C12.1 C13.1 R3.1 R4.1 R17.1 R29.1 R30.1 R31.1 R32.1 U2.8 U3.1 U3.8 U7.27 | length 5605
  Top Layer w10: U3.1@4625.98,-5118.11 4655.79,-5118.11 4708.41,-5170.73 4708.41,-5226.38 R17.1@4712.38,-5226.38 ; U3.8@4799.21,-5157.48 4852.36,-5157.48 4864,-5169.12 C13.1@4864,-5196.85 ; U2.8@6145.67,-4370.08 6190.94,-4370.08 6200.79,-4379.92 ; C12.1@6212.81,-4448.82 6212.81,-4391.95 6200.79,-4379.92 ; v2(6515.73,-4291.33) 6289.37,-4291.34 6200.79,-4379.92 ; v2(6574.8,-4251.97) 6574.8,-4299.09 R32.1@6577.28,-4301.57
  Top Layer w20: 4864,-5248.25 4864.39,-5247.86 C13.1@4864.39,-5196.85 ; v2(6535.43,-4527.56) 6556.91,-4506.08 R30.1@6565.26,-4506.08 6587,-4506.08 6589.19,-4508.27 R29.1@6606.81,-4508.27
  Top Layer w25: U7.27@3240.94,-5730.71 3181.5,-5730.71 3159.45,-5708.66 3159.45,-5413.39 3191.83,-5381 4727.27,-5381 4860.02,-5248.25 ; R17.1@4712.38,-5226.38 4751.75,-5265.75 4797.14,-5311.13 ; 4864,-5248.25 5017.5,-5248.25 5084.71,-5181.04 R3.1@5084.71,-4921.26 5295.28,-4710.7 5295.28,-4596.46 5430.73,-4461 6200.63,-4461 C12.1@6212.81,-4448.82 6212.81,-4480.81 6279.24,-4547.24 6515.75,-4547.24 v2(6535.43,-4527.56)
  Bottom Layer w10: v2(6515.73,-4291.33) 6535.44,-4291.33 v2(6574.8,-4251.97)
  Bottom Layer w20: v2(6535.43,-4527.56) 6556.91,-4506.08 R31.1@6562.76,-4506.08
VBATT: J6.1 J6.3 J6.5 RL1.4
VUSB_JETSON: C39.1 C40.1 J2.1 U8.1 | length 845.4
  Top Layer w10: J2.1@1661.42,-6287.2 1661.42,-5910.58 1814.13,-5757.87 U8.1@2066.93,-5757.87
pads on no net: D5.2 FID1.0 FID2.0 FID3.0 J1.4 J2.4 MH1.1 MH2.1 MH3.1 MH4.1 RL1.5 U1.17 U2.5 U2.6 U2.7 U7.2 U7.3 U7.4 U7.5 U7.6 U7.7 U7.8 U7.9 U7.11 U7.12 U7.20 U7.21 U7.22 U7.26 U7.28

## Polygon pours and split planes (outlines as drawn)
+BATT on Bottom Layer "+BATT_L02_P128" (solid, pour order 128): 5112,-5516 5043,-5516 5043,-5587 5112,-5587
SGND on Bottom Layer "SGND_L02_P126" (solid, pour order 126): 1377.95,-6496.06 1377.95,-6098.49 1377.95,-6092.52 1788.95,-5688.98 2194.88,-5688.98 2194.88,-6496.06
NetB5_2 on Bottom Layer "NETB5_2_L02_P002" (solid, pour order 2): 3690.94,-1023.62 3690.94,-1328.74 3248.03,-1771.65 2411.42,-1771.65 2411.42,-1397.64 3080.71,-1397.64 3454.72,-1023.62 3690.94,-1023.62 3533.46,-1023.62
NetB7_1 on Bottom Layer "NETB7_1_L02_P004" (solid, pour order 4): 3789.37,-1220.47 3789.37,-915.35 4232.28,-472.44 5177.17,-472.44 5177.17,-846.46 4399.61,-846.46 4025.59,-1220.47 3789.37,-1220.47 3946.85,-1220.47
NetB6_1 on Bottom Layer "NETB6_1_L02_P006" (solid, pour order 6): 3789.37,-2125.98 3789.37,-1820.87 4232.28,-1377.95 5177.17,-1377.95 5177.17,-1751.97 4399.61,-1751.97 4025.59,-2125.98 3789.37,-2125.98 3946.85,-2125.98
NetB3_2 on Bottom Layer "NETB3_2_L02_P008" (solid, pour order 8): 3690.94,-1909.45 3690.94,-2214.57 3248.03,-2657.48 2411.42,-2657.48 2411.42,-2283.46 3080.71,-2283.46 3454.72,-1909.45 3690.94,-1909.45 3533.46,-1909.45
NetB1_2 on Bottom Layer "NETB1_2_L02_P010" (solid, pour order 10): 3690.94,-2775.59 3690.94,-3080.71 3248.03,-3523.62 2411.42,-3523.62 2411.42,-3149.61 3080.71,-3149.61 3454.72,-2775.59 3690.94,-2775.59 3533.46,-2775.59
NetB4_1 on Bottom Layer "NETB4_1_L02_P012" (solid, pour order 12): 3789.37,-2992.13 3789.37,-2687.01 4232.28,-2244.09 5177.17,-2244.09 5177.17,-2618.11 4399.61,-2618.11 4025.59,-2992.13 3789.37,-2992.13 3946.85,-2992.13
NetB8_1 on Bottom Layer "NETB8_1_L02_P018" (solid, pour order 18): 7155.51,-1220.47 7155.51,-915.35 6712.6,-472.44 5767.72,-472.44 5767.72,-846.46 6545.28,-846.46 6919.29,-1220.47 7155.51,-1220.47 6998.03,-1220.47
NetB5_1 on Bottom Layer "NETB5_1_L02_P020" (solid, pour order 20): 7155.51,-2125.98 7155.51,-1820.87 6712.6,-1377.95 5767.72,-1377.95 5767.72,-1751.97 6545.28,-1751.97 6919.29,-2125.98 7155.51,-2125.98 6998.03,-2125.98
NetB3_1 on Bottom Layer "NETB3_1_L02_P022" (solid, pour order 22): 7155.51,-2992.13 7155.51,-2687.01 6712.6,-2244.09 5767.72,-2244.09 5767.72,-2618.11 6545.28,-2618.11 6919.29,-2992.13 7155.51,-2992.13 6998.03,-2992.13
NetB5_2 on Bottom Layer "NETB5_2_L02_P024" (solid, pour order 24): 7234.25,-1023.62 7234.25,-1328.74 7677.17,-1771.65 8513.78,-1771.65 8513.78,-1397.64 7844.49,-1397.64 7470.47,-1023.62 7234.25,-1023.62 7391.73,-1023.62
NetB3_2 on Bottom Layer "NETB3_2_L02_P026" (solid, pour order 26): 7234.25,-1909.45 7234.25,-2214.57 7677.17,-2657.48 8513.78,-2657.48 8513.78,-2283.46 7844.49,-2283.46 7470.47,-1909.45 7234.25,-1909.45 7391.73,-1909.45
NetB1_2 on Bottom Layer "NETB1_2_L02_P028" (solid, pour order 28): 7234.25,-2775.59 7234.25,-3080.71 7677.17,-3523.62 8513.78,-3523.62 8513.78,-3149.61 7844.49,-3149.61 7470.47,-2775.59 7234.25,-2775.59 7391.73,-2775.59
NetB2_1 on Bottom Layer "NETB2_1_L02_P030" (solid, pour order 30): 4675.2,-3661.42 5118.11,-3661.42 5118.11,-3307.09 4872.05,-3061.02 4803.15,-2992.13 4803.15,-2834.65 4675.2,-2834.65
NetB1_1 on Bottom Layer "NETB1_1_L02_P034" (solid, pour order 34): 6269.68,-3661.42 5826.77,-3661.42 5826.77,-3307.09 6072.83,-3061.02 6141.73,-2992.13 6141.73,-2834.65 6269.68,-2834.65
NetFH1_1 on Bottom Layer "NETFH1_1_L02_P038" (solid, pour order 38): 4891.73,-2834.65 6062.99,-2834.65 6062.99,-2962.6 5757.87,-3267.72 5757.87,-3986.22 5177.17,-3986.22 5177.17,-3267.72 4891.73,-2982.28 4891.73,-2834.65
POWERIN on Bottom Layer "POWERIN_L02_P082" (solid, pour order 82): 6938.98,-5905.51 6988.19,-5954.72 7037.4,-6003.94 7106.3,-6003.94 7194.88,-5915.35 7480.31,-5915.35 7509.84,-5944.88 7559.06,-5994.09 7559.06,-6328.74 7598.43,-6368.11 7667.32,-6368.11 7785.43,-6250 7785.43,-4153.54 7539.37,-3907.48 6791.34,-3907.48 6791.34,-4064.96 6751.97,-4064.96 6751.97,-4005.91 6683.07,-4005.91 6683.07,-4064.96 6564.96,-4064.96 6564.96,-4153.54 6889.76,-4153.54 6889.76,-3996.06 7057.09,-3996.06 7086.61,-4025.59 7106.3,-4045.28 7106.3,-4116 7145.67,-4116 7145.67,-4084.64 7160,-4085 7303.15,-4192.91 7529.53,-4192.91 7529.53,-4370.08 7529.53,-5551.18 7421.26,-5659.45 7155.51,-5659.45 7106.3,-5659.45 6938.98,-5826.77
NetC16_1 on Bottom Layer "NETC16_1_L02_P084" (solid, pour order 84): 6633.86,-4212.6 6643.7,-4202.76 6742.13,-4202.76 6771.65,-4232.28 7181,-4232.28 7181,-4360.24 6899.61,-4360.24 6870.08,-4330.71 6633.86,-4330.71
NetC23_1 on Bottom Layer "NETC23_1_L02_P087" (solid, pour order 87): 7086.61,-4005.91 6988.19,-4005.91 6938.98,-4005.91 6909.45,-4005.91 6899.61,-4015.75 6899.61,-4124.02 6909.45,-4133.86 7066.93,-4133.86 7086.61,-4114.17
NetQ4_1 on Bottom Layer "NETQ4_1_L02_P093" (solid, pour order 93): 7312,-4248 7194,-4248 7194,-4279 7194,-4370.08 7263.78,-4370.08 7263.78,-4281 7312,-4281
GND on Bottom Layer "GND_L02_P136" (solid, remove dead copper, pour order 136): 802,-6496.06 802,-1287 1944,-145 9270,-145 10412,-1287.69 10412,-6496.06
GND on Top Layer "GND_L01_P134" (solid, pour order 134): 802,-6496.06 802,-1287 1944,-145 9270,-145 10412,-1287.69 10412,-6496.06
5V_REG on Top Layer "Bottom Layer-No Net" (solid, pour order 132): 3851,-5711 3943,-5711 3987,-5755 3987,-6079 4060,-6152 4160,-6152 4170,-6162 4170,-6236 4163,-6243 3840,-6243 3826,-6229 3826,-5736
SGND on Top Layer "SGND_L01_P086" (solid, pour order 86): 1377.95,-6496.06 1377.95,-6093.69 1789,-5688.98 2194.88,-5688.98 2194.88,-6496.06
NetC43_1 on Top Layer "NETC43_1_L01_P080" (solid, pour order 80): 1982.39,-5836.61 2110.17,-5836.61 2113,-5836.61 2113,-5974.41 2027.56,-5974.41 1970.81,-5917.66 1970.81,-5848.19
NetC44_1 on Top Layer "NETC44_1_L01_P078" (solid, pour order 78): 2383.25,-5977.73 2470.36,-5977.73 2520.55,-5927.54 2520.55,-5845.44 2515.05,-5839.94 2383.25,-5839.94
5V_REG on Top Layer "5V_REG_L01_P070" (solid, pour order 70): 4114.17,-6151.57 4104.33,-6161.42 4104.33,-6289.37 4183.07,-6368.11 4340.55,-6368.11 4350.39,-6358.27 4350.39,-6299.21 4340.55,-6289.37 4202.76,-6151.57 4114.17,-6151.57
NetD6_1 on Top Layer "NETD6_1_L01_P068" (solid, pour order 68): 4104.33,-5698.82 4104.33,-6112.2 4109.13,-6117 4246.92,-6117 4301.18,-6171.26 4379.92,-6171.26 4389.76,-6161.42 4389.76,-6112.2 4379.92,-6102.36 4291.34,-6102.36 4242.13,-6053.15 4202.76,-6013.78 4202.76,-5708.66 4192.91,-5698.82
NetC37_2 on Top Layer "NETC37_2_L01_P066" (solid, pour order 66): 4232.28,-5698.82 4330.71,-5698.82 4379.92,-5748.03 4458.66,-5748.03 4468.5,-5757.87 4468.5,-5866.14 4458.66,-5875.98 4429.13,-5875.98 4409.45,-5895.67 4409.45,-5964.57 4389.76,-5984.25 4271.65,-5984.25 4222.44,-5935.04 4222.44,-5708.66
NetC11_2 on Top Layer "NETC11_2_L01_P064" (solid, pour order 64): 4616.14,-4685.04 4616.14,-4852.36 4645.67,-4852.36 4744.09,-4753.94 4744.09,-4625.98 4724.41,-4625.98 4724.41,-4694.88 4714.57,-4704.72 4694.88,-4704.72 4675.2,-4685.04
NetC11_1 on Top Layer "NETC11_1_L01_P062" (solid, pour order 62): 4568.16,-4576.77 4568.16,-4655.51 4527.56,-4655.51 4527.56,-4753.94 4606.3,-4753.94 4606.3,-4675.2 4685.04,-4675.2 4704.72,-4694.88 4724.41,-4694.88 4724.41,-4591.41 4709.77,-4576.77
NetD1_1 on Top Layer "NETD1_1_L01_P060" (solid, pour order 60): 5265.75,-4202.76 5098.43,-4202.76 5098.43,-4261.81 5265.75,-4261.81 5265.75,-4202.76 5255.91,-4202.76
NetC1_1 on Top Layer "NETC1_1_L01_P058" (solid, pour order 58): 4911.42,-4399.61 4911.42,-4478.35 4931.1,-4498.03 5196.85,-4498.03 5196.85,-4350.39 5167.32,-4320.87 5167.32,-4291.34 5108.27,-4291.34 5088.58,-4311.02 5088.58,-4320.87 5088.58,-4379.92 5078.74,-4389.76 5068.9,-4389.76 4921.26,-4389.76
-BATT on Top Layer "-BATT_L01_P056" (solid, pour order 56): 2923.23,-324.8 2923.23,-1023.62 2411.42,-1023.62 2037.4,-1397.64 1830.71,-1604.33 1830.71,-3503.94 2135.83,-3809.06 2165.35,-3838.58 3730.31,-3838.58 3799.21,-3838.58 3927.17,-3966.54 3976.38,-4015.75 3976.38,-4242.13 4074.8,-4340.55 4145.62,-4411.37 4716,-4409.93 4716,-4567 4560,-4567 4560,-4645.67 3690.94,-4645.67 3208.66,-4163.39 3110.24,-4163.39 2017.72,-4163.39 1594.49,-3740.16 1580,-3725.67 1580,-851.1 2116.14,-314.96 2923.23,-314.96
-BATT on Top Layer "-BATT_L01_P042" (solid, pour order 42): 2411.42,-314.96 2411.42,-1023.62 3346.46,-1023.62 3681.1,-1023.62 4232.28,-472.44 6712.6,-472.44 7263.78,-1023.62 8533.46,-1023.62 8533.46,-314.96 7106.3,-314.96 6973.33,-181.99 4060.12,-182.01 3927.17,-314.96
NetB5_2 on Top Layer "NETB5_2_L01_P050" (solid, pour order 50): 2411.42,-1220.47 2411.42,-1929.13 3346.46,-1929.13 3681.1,-1929.13 4232.28,-1377.95 6712.6,-1377.95 7263.78,-1929.13 8533.46,-1929.13 8533.46,-1220.47 7145.67,-1220.47 6791.33,-866.14 4124.01,-866.15 3769.68,-1220.47
NetB3_2 on Top Layer "NETB3_2_L01_P052" (solid, pour order 52): 2411.42,-2086.61 2411.42,-2795.28 3346.46,-2795.28 3681.1,-2795.28 4232.28,-2244.09 6712.6,-2244.09 7263.78,-2795.28 8533.46,-2795.28 8533.46,-2086.61 7145.67,-2086.61 6830.7,-1771.65 4084.64,-1771.66 3769.68,-2086.61
NetB1_2 on Top Layer "NETB1_2_L01_P054" (solid, pour order 54): 2411.42,-2952.76 2411.42,-3478.72 3863.8,-3478.72 4232.28,-3110.24 6712.6,-3110.24 7263.78,-3661.42 8533.46,-3661.42 8533.46,-2952.76 7145.67,-2952.76 6820.86,-2627.95 4094.48,-2627.96 3769.68,-2952.76
VBATT on Top Layer "VBATT_L01_P089" (solid, pour order 89): 5442.91,-6023.62 5442.91,-6328.74 5501.97,-6387.8 5787.4,-6387.8 5856.3,-6318.9 5856.3,-6279.53 5787.4,-6210.63 5639.76,-6210.63 5580.71,-6151.57 5561.02,-6131.89 5561.02,-6033.46 5531.5,-6003.94 5462.6,-6003.94
+BATT on Top Layer "+BATT_L01_P090" (solid, pour order 90): 6210.63,-4704.72 6210.63,-4753.94 6220.47,-4763.78 6289.37,-4763.78 6299.21,-4753.94 6377.95,-4753.94 6407.48,-4783.46 6407.48,-4872.05 6496.06,-4960.63 6584.65,-4960.63 6624.02,-4921.26 6663.39,-4921.26 6673.23,-4911.42 6673.23,-4832.68 6653.54,-4812.99 6486.22,-4812.99 6486.22,-4750.43 6512,-4750.43 6512,-4593 6459,-4593 6459,-4694.88 6220.47,-4694.88
NetC30_2 on Top Layer "NETC30_2_L01_P091" (solid, pour order 91): 6889.76,-4399.61 6889.76,-4429.13 6899.61,-4438.98 6909.45,-4448.82 7037.4,-4448.82 7037.4,-4773.62 7027.56,-4783.46 7027.56,-4970.47 7047.24,-4990.16 7135.83,-4990.16 7145.67,-4990.16 7145.67,-4803.15 7125.98,-4793.31 7125.98,-4606.3 7145.67,-4586.61 7175.2,-4586.61 7185.04,-4576.77 7185.04,-4448.82 7135.83,-4399.61
NetC23_1 on Top Layer "NETC23_1_L01_P094" (solid, pour order 94): 6958.66,-4124.02 6958.66,-4084.65 7017.72,-4025.59 7017.72,-4015.75 7007.87,-4005.91 6909.45,-4005.91 6899.61,-4015.75 6899.61,-4114.17 6909.45,-4124.02
NetC33_1 on Top Layer "NETC33_1_L01_P096" (solid, pour order 96): 6722.44,-4822.83 6919.29,-4822.83 6919.29,-4970.47 6791.34,-4970.47 6722.44,-4901.57 6722.44,-4822.83
NetC17_1 on Top Layer "NETC17_1_L01_P095" (solid, pour order 95): 6309.06,-4763.78 6377.95,-4763.78 6397.64,-4783.46 6397.64,-4803.15 6397.64,-4931.1 6542.31,-5075.77 6617.14,-5075.77 6617.14,-5134.83 6555.12,-5196.85 6515.75,-5196.85 6309.06,-4990.16 6309.06,-4763.78
NetQ7_2 on Top Layer "NETQ7_2_L01_P097" (solid, pour order 97): 5590.55,-5492.13 5590.55,-5649.61 5639.76,-5649.61 5649.61,-5639.76 5649.61,-5580.71 5659.45,-5570.87 5718.5,-5570.87 5728.35,-5561.02 5728.35,-5531.5 5728.35,-5521.65 5718.5,-5511.81 5688.98,-5482.28 5600.39,-5482.28 5590.55,-5492.13
NetD4_1 on Top Layer "NETD4_1_L01_P098" (solid, pour order 98): 5757.87,-5561.02 5757.87,-5757.87 5728.35,-5787.4 5728.35,-5846.46 5728.35,-5856.3 5757.87,-5885.83 5797.24,-5885.83 5836.61,-5846.46 5846.46,-5836.61 5846.46,-5679.13 5899.59,-5626 5984.25,-5626 5984.25,-5541.34 5777.56,-5541.34
5V_REG on Top Layer "5V_REG_L01_P099" (solid, pour order 99): 6043.31,-5541.34 6043.31,-5639.76 6112.2,-5639.76 6190.94,-5718.5 6190.94,-5846.46 6220.47,-5875.98 6289.37,-5875.98 6309.06,-5856.3 6309.06,-5826.77 6309.06,-5669.29 6181.1,-5541.34 6043.31,-5541.34
NetC17_1 on Top Layer "NETC17_1_L01_P100" (solid, pour order 100): 5992,-5709 6032,-5709 6059,-5736 6059,-5803.09 6181.1,-5925.2 6210.63,-5925.2 6328.74,-5925.2 6368.11,-5885.83 6515.75,-5738.19 6515.75,-5196.85 6535.43,-5177.17 6683.07,-5177.17 6712.6,-5206.69 6712.6,-5826.77 6496.06,-6043.31 6446.85,-6092.52 6053.15,-6092.52 5966,-6005.37 5966,-5735
+BATT on Top Layer "+BATT_L01_P088" (solid, pour order 88): 5433.07,-4517.72 5433.07,-4921.26 5521.65,-4921.26 5679.13,-4763.78 6289.37,-4763.78 6299.21,-4753.94 6299.21,-4694.88 6259.84,-4655.51 5757.87,-4655.51 5629.92,-4527.56 5600.39,-4498.03 5452.76,-4498.03
NetC17_1 on Top Layer "NETC17_1_L01_P092" (solid, pour order 92): 7007.87,-4143.7 7027.56,-4143.7 7504,-4143.7 7504,-4315.04 7352.36,-4450 7352.36,-4488.19 7352.36,-4557.09 7303.15,-4606.3 7145.67,-4606.3 7145.67,-5075.77 6617.14,-5075.77 6573.32,-5126.47 6525.59,-5174.2 6525.59,-5226.38 6525.59,-5324.8 6702.76,-5324.8 6702.76,-5226.38 7273.62,-5226.38 7273.62,-4980.31 7381.89,-4980.31 7381.89,-4635.83 7421.26,-4596.46 7440.94,-4596.46 7655,-4382.4 7655,-4045.28 7283.46,-4045.28 7135.83,-4045.28 7007.87,-4045.28
+BATT on Top Layer "+BATT_L01_P127" (solid, pour order 127): 5112,-5516 5043,-5516 5043,-5587 5112,-5587

## Keep-outs
Keep-Out Layer:
  the board outline again, w15

## Text inside footprints (layer, text, board x,y; h text height)
J1: Mechanical 2 "PCB Edge" at 2811.02,-6456.69 h16
J2: Mechanical 2 "PCB Edge" at 1669.29,-6456.69 h16